# KiCad board Galatea Keyboard PCB.kicad_pcb
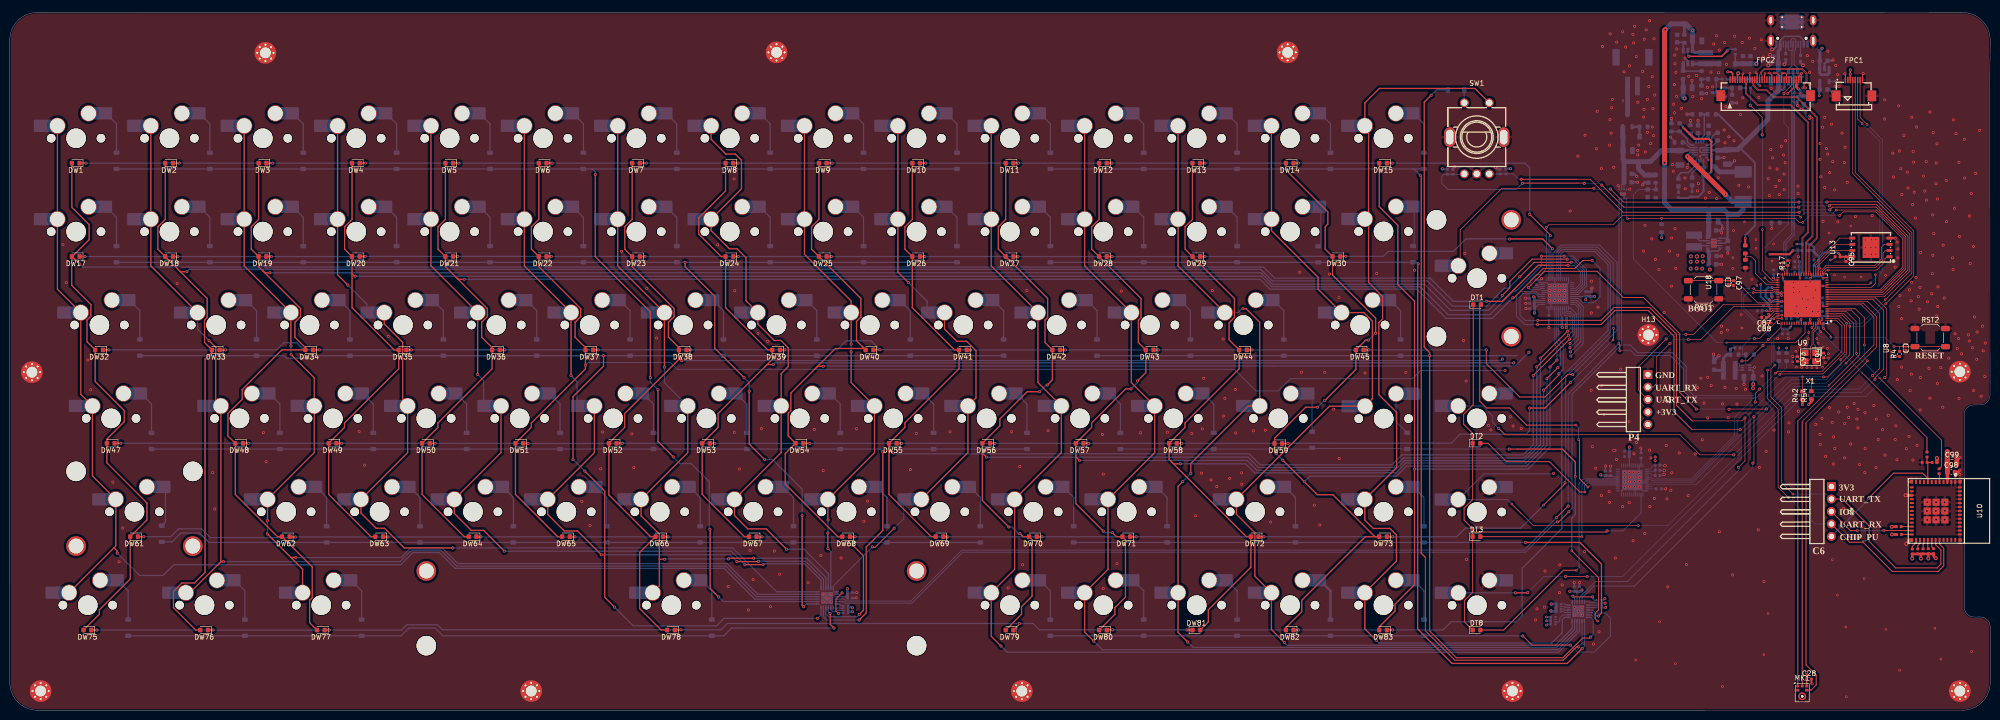
[diagram p0: board, top side]
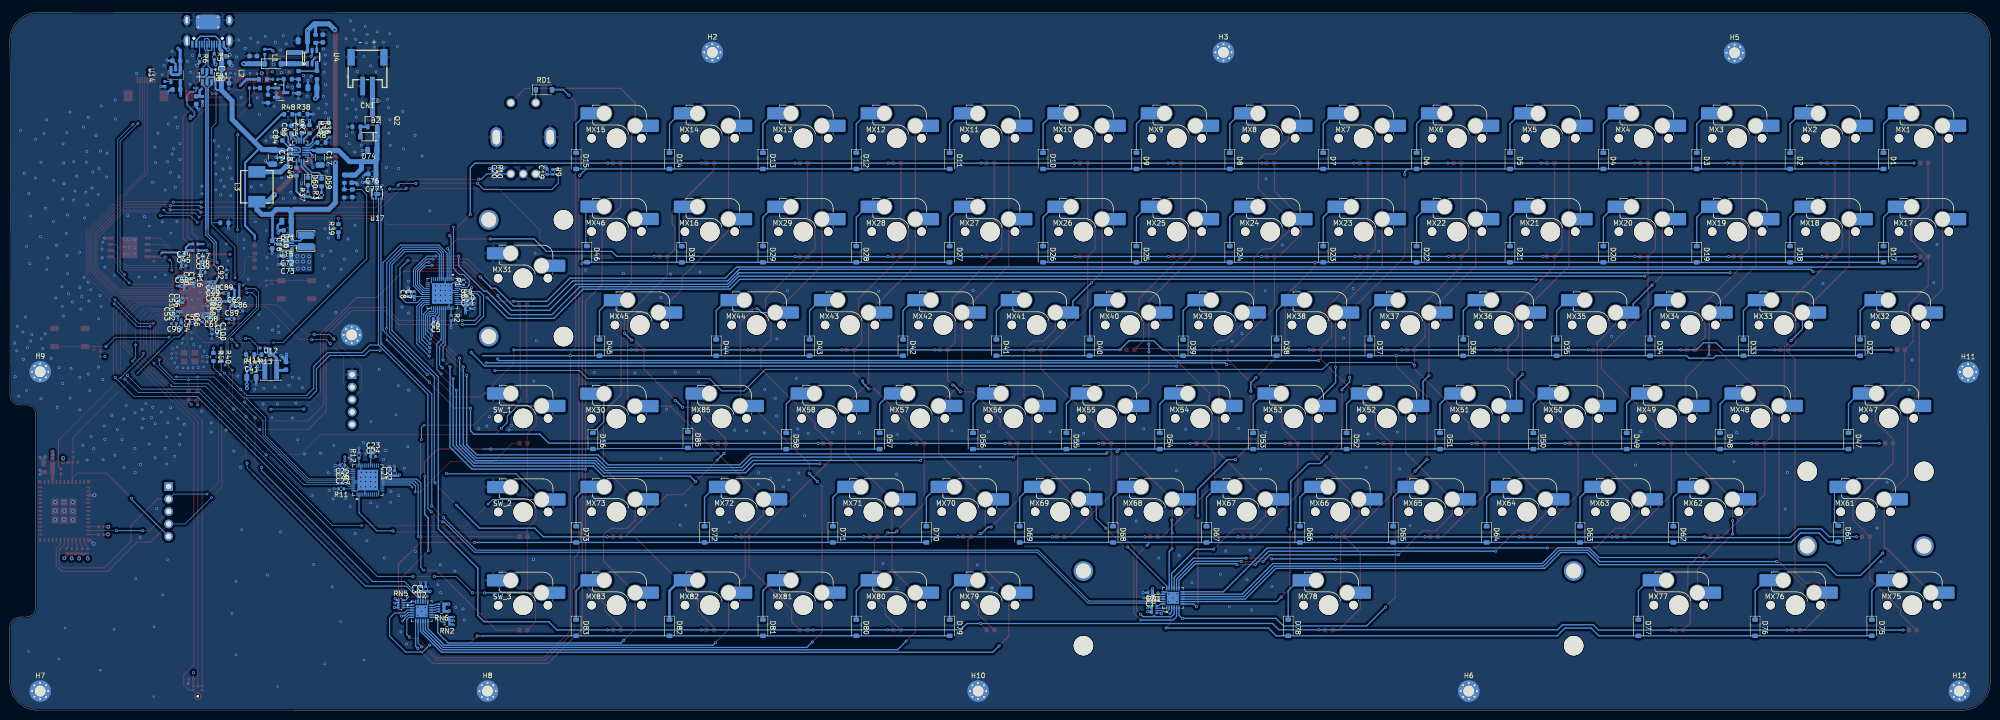
[diagram p1: board, bottom side, seen from below]

Outline 403.99 x 142.35 mm; copper layers: Top, In1.Cu, In2.Cu, Bottom. Coordinates in mm from the lower left corner of the outline.
Outline path: 0,136.73 arc(1.64,140.7) 5.61,142.34 313.04,142.34 365.73,142.35 398.37,142.33 arc(402.34,140.68) 403.98,136.71 403.91,128.29 403.96,64.26 arc(403.41,62.89) 402.06,62.28 400.58,62.28 arc(399.24,61.67) 398.69,60.3 398.73,20.9 arc(399.34,19.55) 400.71,19.01 402.01,19.01 arc(403.38,18.46) 403.99,17.12 403.99,9.32 403.99,5.62 arc(402.34,1.65) 398.37,0 5.62,0 arc(1.65,1.64) 0.01,5.61 0,136.73
Stack: Top 0.035mm / dielectric 0.1mm FR4 er 4.5 / In1.Cu 0.035mm / dielectric 1.24mm FR4 er 4.5 / In2.Cu 0.035mm / dielectric 0.1mm FR4 er 4.5 / Bottom 0.035mm

## Placement (name value [footprint] x y rotation side)
B1  PESD5V5C1BLYL  [DFN1006-2L-BI-1]  360.34 133.42 0 bottom
B2  PESD5V5C1BLYL  [DFN1006-2L-BI-1]  329.37 124.33 0 bottom
C1  1uF  [C_0402_1005Metric]  171.37 22.87 0 bottom
C2  100nF  [C_0402_1005Metric]  171.36 23.98 0 bottom
C3  1uF  [C_0402_1005Metric]  320.19 24.71 90 bottom
C4  100nF  [C_0402_1005Metric]  319.15 24.71 90 bottom
C5  470nF  [C_0402_1005Metric]  317.1 78.8 0 bottom
C6  100nF  [C_0402_1005Metric]  317.12 79.87 0 bottom
C7  470nF  [C_0402_1005Metric]  321.5 84.9 90 bottom
C8  100nF  [C_0402_1005Metric]  322.6 84.9 90 bottom
C9  470nF  [C_0402_1005Metric]  310.55 84.03 180 bottom
C10  100nF  [C_0402_1005Metric]  310.54 82.99 180 bottom
C11  470nF  [C_0402_1005Metric]  310.56 81.93 180 bottom
C12  1uF  [C_0603]  340.13 137.02 90 bottom
C13  10uF  [C_0805]  344.22 136.57 0 bottom
C14  22pF  [C_0402]  352.42 73.89 0 bottom
C15  22uF  [C_0603]  347.67 70.25 90 bottom
C16  100nF  [C_0603_1608Metric]  350.47 94.99 270 bottom
C17  22uF  [C_1206_3216Metric]  340.69 112.7 270 bottom
C18  1uF  [C_0603_1608Metric]  348.34 113.46 270 bottom
C19  100nF  [C_0402_1005Metric]  294.38 109.8 90 bottom
C20  100nF  [C_0402_1005Metric]  304.01 109.88 90 bottom
C21  470nF  [C_0402_1005Metric]  326.51 48.32 90 bottom
C22  100nF  [C_0402_1005Metric]  325.47 48.33 90 bottom
C23  470nF  [C_0402_1005Metric]  329.88 52.84 180 bottom
C24  100nF  [C_0402_1005Metric]  329.88 51.74 180 bottom
C25  470nF  [C_0402_1005Metric]  336.14 50 0 bottom
C26  100nF  [C_0402_1005Metric]  336.14 48.92 0 bottom
C27  470nF  [C_0402_1005Metric]  336.13 47.88 0 bottom
C28  100nF  [C_0402_1005Metric]  367.02 6.35 0 top
C29  22uF  [C_0805]  347.54 99.74 0 bottom
C34  1uF  [C_0402_1005Metric]  368.53 91.81 180 bottom
C35  10uF  [C_0402_1005Metric]  362.58 85.21 0 bottom
C36  10uF  [C_0402_1005Metric]  368.75 83.6 90 bottom
C39  10nF  [C_0402_1005Metric]  364.62 89.34 180 bottom
C40  100nF  [C_0402_1005Metric]  369.16 88.05 270 bottom
C41  4.7uF  [C_0805_2012Metric]  354.7 67.89 180 bottom
C44  10uF  [C_0402_1005Metric]  368.1 88.05 270 bottom
C45  100nF  [C_0402_1005Metric]  368.53 90.67 180 bottom
C46  100nF  [C_0402_1005Metric]  364.62 90.41 180 bottom
C47  1uF  [C_0402_1005Metric]  364.6 91.51 180 bottom
C48  10nF  [C_0402_1005Metric]  362.57 87.35 0 bottom
C49  100nF  [C_0402_1005Metric]  362.55 86.27 0 bottom
C50  100nF  [C_0402_1005Metric]  368.89 86.55 180 bottom
C51  100nF  [C_0402_1005Metric]  369.8 83.62 90 bottom
C52  100nF  [C_0402_1005Metric]  369.72 80.87 90 bottom
C53  10uF  [C_0402_1005Metric]  370.78 80.86 90 bottom
C54  100nF  [C_0402_1005Metric]  369 78.53 270 bottom
C55  100nF  [C_0402_1005Metric]  366.78 78.98 180 bottom
C56  100nF  [C_0402_1005Metric]  364.69 79.69 90 bottom
C57  100nF  [C_0402_1005Metric]  362.74 77.24 270 bottom
C58  10uF  [C_0402_1005Metric]  362.94 80.97 0 bottom
C59  100nF  [C_0402_1005Metric]  358.71 79.83 180 bottom
C60  100nF  [C_0402_1005Metric]  361.46 81.9 90 bottom
C61  100nF  [C_0402_1005Metric]  362.9 79.85 0 bottom
C62  100nF  [C_0402_1005Metric]  358.24 82.53 180 bottom
C63  100nF  [C_0603]  353.57 132.65 90 bottom
C64  1uF  [C_0603]  355.09 132.65 90 bottom
C65  1uF  [C_0603]  345.07 126.63 270 bottom
C66  22nF  [C_0402]  372.35 127.76 270 bottom
C67  1uF  [C_0603]  370 126.62 0 bottom
C68  1uF  [C_0603]  370.02 132.49 0 bottom
C69  10uF  [C_0603]  365.96 124.44 270 bottom
C70  100nF  [C_0402]  364.67 124.7 270 bottom
C71  10uF  [C_0603_1608Metric]  347.35 97.89 0 bottom
C72  10uF  [C_0603_1608Metric]  347.4 92.66 0 bottom
C73  10uF  [C_0603_1608Metric]  347.32 90.98 0 bottom
C74  10uF  [C_1206_3216Metric]  350.37 112.87 270 bottom
C75  200nF  [C_0603_1608Metric]  344.4 118.52 90 bottom
C76  100nF  [C_0603_1608Metric]  330.07 109.41 0 bottom
C77  100nF  [C_0603_1608Metric]  330.07 107.71 0 bottom
C78  1uF  [C_0402]  390.63 50.55 180 top
C79  100nF  [C_0603]  359.96 132.15 180 bottom
C80  100nF  [C_0603]  360.06 127.91 180 bottom
C81  10uF  [C_0805]  330.05 114.19 0 bottom
C82  100nF  [C_0603]  334.11 105.45 270 bottom
C83  100nF  [C_0603]  334.27 108.39 270 bottom
C84  100nF  [C_0603_1608Metric]  348.39 117.01 90 bottom
C85  1uF  [C_0603_1608Metric]  346.56 118.47 90 bottom
C86  100nF  [C_0402_1005Metric]  356.99 81.48 180 bottom
C87  100nF  [C_0402_1005Metric]  357.85 80.12 180 top
C88  100nF  [C_0402_1005Metric]  357.87 78.98 180 top
C89  100nF  [C_0402_1005Metric]  359.86 85.08 180 bottom
C90  100nF  [C_0402_1005Metric]  362.57 82.96 270 bottom
C91  1uF  [C_0402_1005Metric]  363.66 82.95 270 bottom
C92  100nF  [C_0402_1005Metric]  359.83 89.32 90 bottom
C93  18pF  [C_0402_1005Metric]  364.64 71.65 270 top
C94  18pF  [C_0402_1005Metric]  370.02 72.38 90 top
C95  100nF  [C_0402_1005Metric]  374.57 92.02 270 top
C96  100nF  [C_0402_1005Metric]  370.51 78.9 0 bottom
C97  100nF  [C_0402_1005Metric]  351.62 87.15 270 top
C98  100nF  [C_0603_1608Metric]  396.03 48.54 0 top
C99  10uF  [C_0805_2012Metric]  396.18 50.42 0 top
C100  10uF  [C_0402_1005Metric]  361.65 77.26 270 bottom
CN1  S2B-PH-SM4-TB  [CONN-SMD_P2.00_S2B-PH-SM4-TB-LF-SN]  331.02 130.26 0 bottom
D1  D  [D_SOD-123]  21.76 112.07 270 bottom
D2  D  [D_SOD-123]  40.81 112.07 270 bottom
D3  D  [D_SOD-123]  59.86 112.07 270 bottom
D4  D  [D_SOD-123]  78.91 112.07 270 bottom
D5  D  [D_SOD-123]  97.96 112.07 270 bottom
D6  D  [D_SOD-123]  117.01 112.07 270 bottom
D7  D  [D_SOD-123]  136.06 112.07 270 bottom
D8  D  [D_SOD-123]  155.11 112.07 270 bottom
D9  D  [D_SOD-123]  174.16 112.07 270 bottom
D10  D  [D_SOD-123]  193.21 112.07 270 bottom
D11  D  [D_SOD-123]  212.26 112.07 270 bottom
D12  D  [D_SOD-123]  231.31 112.07 270 bottom
D13  D  [D_SOD-123]  250.36 112.07 270 bottom
D14  D  [D_SOD-123]  269.41 112.07 270 bottom
D15  D  [D_SOD-123]  288.46 112.07 270 bottom
D16  D  [D_SOD-123]  285.05 54.94 270 bottom
D17  D  [D_SOD-123]  21.76 93.02 270 bottom
D18  D  [D_SOD-123]  40.81 93.02 270 bottom
D19  D  [D_SOD-123]  59.86 93.02 270 bottom
D20  D  [D_SOD-123]  78.91 93.02 270 bottom
D21  D  [D_SOD-123]  97.96 93.02 270 bottom
D22  D  [D_SOD-123]  117.01 93.02 270 bottom
D23  D  [D_SOD-123]  136.06 93.02 270 bottom
D24  D  [D_SOD-123]  155.11 93.02 270 bottom
D25  D  [D_SOD-123]  174.16 93.02 270 bottom
D26  D  [D_SOD-123]  193.21 93.02 270 bottom
D27  D  [D_SOD-123]  212.26 93.02 270 bottom
D28  D  [D_SOD-123]  231.31 93.02 270 bottom
D29  D  [D_SOD-123]  250.36 93.02 270 bottom
D30  D  [D_SOD-123]  266.91 93 270 bottom
D31  B5819W  [D_SOD-123]  350.32 131.87 180 bottom
D32  D  [D_SOD-123]  26.53 73.97 270 bottom
D33  D  [D_SOD-123]  50.34 73.97 270 bottom
D34  D  [D_SOD-123]  69.39 73.97 270 bottom
D35  D  [D_SOD-123]  88.44 73.97 270 bottom
D36  D  [D_SOD-123]  107.49 73.97 270 bottom
D37  D  [D_SOD-123]  126.54 73.97 270 bottom
D38  D  [D_SOD-123]  145.59 73.97 270 bottom
D39  D  [D_SOD-123]  164.64 73.97 270 bottom
D40  D  [D_SOD-123]  183.69 73.97 270 bottom
D41  D  [D_SOD-123]  202.74 73.97 270 bottom
D42  D  [D_SOD-123]  221.79 73.97 270 bottom
D43  D  [D_SOD-123]  240.84 73.97 270 bottom
D44  D  [D_SOD-123]  259.89 73.97 270 bottom
D45  D  [D_SOD-123]  283.7 73.97 270 bottom
D46  D  [D_SOD-123]  286.27 93.04 270 bottom
D47  D  [D_SOD-123]  28.91 54.92 270 bottom
D48  D  [D_SOD-123]  55.1 54.92 270 bottom
D49  D  [D_SOD-123]  74.15 54.92 270 bottom
D50  D  [D_SOD-123]  93.2 54.92 270 bottom
D51  D  [D_SOD-123]  112.25 54.92 270 bottom
D52  D  [D_SOD-123]  131.3 54.92 270 bottom
D53  D  [D_SOD-123]  150.35 54.92 270 bottom
D54  D  [D_SOD-123]  169.4 54.92 270 bottom
D55  D  [D_SOD-123]  188.45 54.92 270 bottom
D56  D  [D_SOD-123]  207.5 54.92 270 bottom
D57  D  [D_SOD-123]  226.55 54.92 270 bottom
D58  D  [D_SOD-123]  245.6 54.92 270 bottom
D59  LED  [LED_0603_1608Metric]  340.39 107.67 270 bottom
D60  LED  [LED_0603_1608Metric]  343.18 107.87 270 bottom
D61  D  [D_SOD-123]  31 35.99 270 bottom
D62  D  [D_SOD-123]  64.63 35.87 270 bottom
D63  D  [D_SOD-123]  83.68 35.87 270 bottom
D64  D  [D_SOD-123]  102.73 35.87 270 bottom
D65  D  [D_SOD-123]  121.78 35.87 270 bottom
D66  D  [D_SOD-123]  140.83 35.87 270 bottom
D67  D  [D_SOD-123]  159.88 35.87 270 bottom
D68  D  [D_SOD-123]  178.93 35.87 270 bottom
D69  D  [D_SOD-123]  197.98 35.87 270 bottom
D70  D  [D_SOD-123]  217.03 35.87 270 bottom
D71  D  [D_SOD-123]  236.08 35.87 270 bottom
D72  D  [D_SOD-123]  262.27 35.87 270 bottom
D73  D  [D_SOD-123]  288.46 35.87 270 bottom
D74  MMSZ5231B-7-F  [SOD-123_L2.8-W1.8-LS3.7-RD]  330.76 117.01 0 bottom
D75  D  [D_SOD-123]  24.14 16.82 270 bottom
D76  D  [D_SOD-123]  47.96 16.82 270 bottom
D77  D  [D_SOD-123]  71.77 16.82 270 bottom
D78  D  [D_SOD-123]  143.21 16.82 270 bottom
D79  D  [D_SOD-123]  212.26 16.82 270 bottom
D80  D  [D_SOD-123]  231.31 16.82 270 bottom
D81  D  [D_SOD-123]  250.36 16.82 270 bottom
D82  D  [D_SOD-123]  269.41 16.82 270 bottom
D83  D  [D_SOD-123]  288.46 16.82 270 bottom
D85  D  [D_SOD-123]  265.67 55.17 270 bottom
DT1  WHITE  [LED_0603_1608Metric]  299.32 82.74 0 top
DT2  WHITE  [LED_0603_1608Metric]  299.2 54.45 0 top
DT3  WHITE  [LED_0603_1608Metric]  299.2 35.4 0 top
DT8  WHITE  [LED_0603_1608Metric]  299.2 16.35 0 top
DW1  WHITE  [LED_0603_1608Metric]  13.45 111.6 180 top
DW2  WHITE  [LED_0603_1608Metric]  32.5 111.6 180 top
DW3  WHITE  [LED_0603_1608Metric]  51.55 111.6 180 top
DW4  WHITE  [LED_0603_1608Metric]  70.6 111.6 180 top
DW5  WHITE  [LED_0603_1608Metric]  89.65 111.6 180 top
DW6  WHITE  [LED_0603_1608Metric]  108.7 111.6 180 top
DW7  WHITE  [LED_0603_1608Metric]  127.75 111.6 180 top
DW8  WHITE  [LED_0603_1608Metric]  146.8 111.6 180 top
DW9  WHITE  [LED_0603_1608Metric]  165.85 111.6 180 top
DW10  WHITE  [LED_0603_1608Metric]  184.9 111.6 180 top
DW11  WHITE  [LED_0603_1608Metric]  203.95 111.6 180 top
DW12  WHITE  [LED_0603_1608Metric]  223 111.6 180 top
DW13  WHITE  [LED_0603_1608Metric]  242.05 111.6 180 top
DW14  WHITE  [LED_0603_1608Metric]  261.1 111.6 180 top
DW15  WHITE  [LED_0603_1608Metric]  280.15 111.6 180 top
DW17  WHITE  [LED_0603_1608Metric]  13.45 92.55 180 top
DW18  WHITE  [LED_0603_1608Metric]  32.5 92.55 180 top
DW19  WHITE  [LED_0603_1608Metric]  51.55 92.55 180 top
DW20  WHITE  [LED_0603_1608Metric]  70.6 92.55 180 top
DW21  WHITE  [LED_0603_1608Metric]  89.65 92.55 180 top
DW22  WHITE  [LED_0603_1608Metric]  108.7 92.55 180 top
DW23  WHITE  [LED_0603_1608Metric]  127.75 92.55 180 top
DW24  WHITE  [LED_0603_1608Metric]  146.8 92.55 180 top
DW25  WHITE  [LED_0603_1608Metric]  165.85 92.55 180 top
DW26  WHITE  [LED_0603_1608Metric]  184.9 92.55 180 top
DW27  WHITE  [LED_0603_1608Metric]  203.95 92.55 180 top
DW28  WHITE  [LED_0603_1608Metric]  223 92.55 180 top
DW29  WHITE  [LED_0603_1608Metric]  242.05 92.55 180 top
DW30  WHITE  [LED_0603_1608Metric]  270.62 92.55 180 top
DW32  WHITE  [LED_0603_1608Metric]  18.21 73.5 180 top
DW33  WHITE  [LED_0603_1608Metric]  42.02 73.5 180 top
DW34  WHITE  [LED_0603_1608Metric]  61.07 73.5 180 top
DW35  WHITE  [LED_0603_1608Metric]  80.12 73.5 180 top
DW36  WHITE  [LED_0603_1608Metric]  99.17 73.5 180 top
DW37  WHITE  [LED_0603_1608Metric]  118.22 73.5 180 top
DW38  WHITE  [LED_0603_1608Metric]  137.27 73.5 180 top
DW39  WHITE  [LED_0603_1608Metric]  156.32 73.5 180 top
DW40  WHITE  [LED_0603_1608Metric]  175.37 73.5 180 top
DW41  WHITE  [LED_0603_1608Metric]  194.42 73.5 180 top
DW42  WHITE  [LED_0603_1608Metric]  213.47 73.5 180 top
DW43  WHITE  [LED_0603_1608Metric]  232.52 73.5 180 top
DW44  WHITE  [LED_0603_1608Metric]  251.57 73.5 180 top
DW45  WHITE  [LED_0603_1608Metric]  275.38 73.5 180 top
DW47  WHITE  [LED_0603_1608Metric]  20.59 54.45 180 top
DW48  WHITE  [LED_0603_1608Metric]  46.78 54.45 180 top
DW49  WHITE  [LED_0603_1608Metric]  65.83 54.45 180 top
DW50  WHITE  [LED_0603_1608Metric]  84.88 54.45 180 top
DW51  WHITE  [LED_0603_1608Metric]  103.93 54.45 180 top
DW52  WHITE  [LED_0603_1608Metric]  122.98 54.45 180 top
DW53  WHITE  [LED_0603_1608Metric]  142.03 54.45 180 top
DW54  WHITE  [LED_0603_1608Metric]  161.08 54.45 180 top
DW55  WHITE  [LED_0603_1608Metric]  180.13 54.45 180 top
DW56  WHITE  [LED_0603_1608Metric]  199.18 54.45 180 top
DW57  WHITE  [LED_0603_1608Metric]  218.23 54.45 180 top
DW58  WHITE  [LED_0603_1608Metric]  237.28 54.45 180 top
DW59  WHITE  [LED_0603_1608Metric]  258.78 54.4 180 top
DW61  WHITE  [LED_0603_1608Metric]  25.35 35.4 180 top
DW62  WHITE  [LED_0603_1608Metric]  56.31 35.4 180 top
DW63  WHITE  [LED_0603_1608Metric]  75.36 35.4 180 top
DW64  WHITE  [LED_0603_1608Metric]  94.41 35.4 180 top
DW65  WHITE  [LED_0603_1608Metric]  113.46 35.4 180 top
DW66  WHITE  [LED_0603_1608Metric]  132.51 35.4 180 top
DW67  WHITE  [LED_0603_1608Metric]  151.56 35.4 180 top
DW68  WHITE  [LED_0603_1608Metric]  170.61 35.4 180 top
DW69  WHITE  [LED_0603_1608Metric]  189.66 35.4 180 top
DW70  WHITE  [LED_0603_1608Metric]  208.71 35.4 180 top
DW71  WHITE  [LED_0603_1608Metric]  227.76 35.4 180 top
DW72  WHITE  [LED_0603_1608Metric]  253.95 35.4 180 top
DW73  WHITE  [LED_0603_1608Metric]  280.15 35.4 180 top
DW75  WHITE  [LED_0603_1608Metric]  15.83 16.35 180 top
DW76  WHITE  [LED_0603_1608Metric]  39.64 16.35 180 top
DW77  WHITE  [LED_0603_1608Metric]  63.45 16.35 180 top
DW78  WHITE  [LED_0603_1608Metric]  134.89 16.35 180 top
DW79  WHITE  [LED_0603_1608Metric]  203.95 16.35 180 top
DW80  WHITE  [LED_0603_1608Metric]  223 16.35 180 top
DW81  WHITE  [LED_0603_1608Metric]  242.05 16.35 0 top
DW82  WHITE  [LED_0603_1608Metric]  261.1 16.35 180 top
DW83  WHITE  [LED_0603_1608Metric]  280.15 16.35 180 top
FPC1  FH12-8S-0.5SH  [FPC-SMD_8P-P0.50_FH12S-8S-0.5SH-55]  376.2 126.94 0 top
FPC2  FH12-30S-0.5SH  [FPC-SMD_FH12-30S-0.5SH-55]  358.19 127 0 top
H2  MountingHole_Pad  [MountingHole_2.2mm_M2_Pad_Via]  260.67 134.2 180 bottom  (not fitted)
H3  MountingHole_Pad  [MountingHole_2.2mm_M2_Pad_Via]  156.41 134.2 180 bottom  (not fitted)
H5  MountingHole_Pad  [MountingHole_2.2mm_M2_Pad_Via]  52.14 134.1 180 bottom  (not fitted)
H6  MountingHole_Pad  [MountingHole_2.2mm_M2_Pad_Via]  106.37 3.9 180 bottom  (not fitted)
H7  MountingHole_Pad  [MountingHole_2.2mm_M2_Pad_Via]  397.8 3.9 180 bottom  (not fitted)
H8  MountingHole_Pad  [MountingHole_2.2mm_M2_Pad_Via]  306.53 3.9 180 bottom  (not fitted)
H9  MountingHole_Pad  [MountingHole_2.2mm_M2_Pad_Via]  397.8 69.05 180 bottom  (not fitted)
H10  MountingHole_Pad  [MountingHole_2.2mm_M2_Pad_Via]  206.45 3.9 180 bottom  (not fitted)
H11  MountingHole_Pad  [MountingHole_2.2mm_M2_Pad_Via]  4.51 68.95 180 bottom  (not fitted)
H12  MountingHole_Pad  [MountingHole_2.2mm_M2_Pad_Via]  6.28 3.9 180 bottom  (not fitted)
H13  MountingHole_Pad  [MountingHole_2.2mm_M2_Pad_Via]  334.26 76.56 0 top  (not fitted)
J1  Connector, USB-TYPE-C-16P  [TYPE-C-SMD_HX-TYPE-C-16PIN]  363.54 138.38 0 bottom
J3  X6511WR-05H-C30D60-R2  [HDR-TH_5P-P2.54-H-M-W10.4]  334.16 63.37 270 top
J4  X6511WR-05H-C30D60-R2  [HDR-TH_5P-P2.54-H-M-W10.4]  371.59 40.53 270 top
L1  SWPA3015S100MT  [IND-SMD_L3.0-W3.0_SWPA3010S]  345.92 133.02 90 bottom
L2  BLM18SG121TN1D  [L0603]  360.77 129.93 270 bottom
L3  SMMS0630-2R2M  [IND-SMD_L6.6-W6.6]  353.59 106.78 90 bottom
MK1  ICS-43434  [InvenSense_ICS-43434-6_3.5x2.65mm]  365.64 3.55 0 top
MX1  MX_SW_HS  [SW_MX_HS_CPG151101S11_1u]  13.52 116.68 180 bottom
MX2  MX_SW_HS  [SW_MX_HS_CPG151101S11_1u]  32.57 116.68 180 bottom
MX3  MX_SW_HS  [SW_MX_HS_CPG151101S11_1u]  51.62 116.68 180 bottom
MX4  MX_SW_HS  [SW_MX_HS_CPG151101S11_1u]  70.67 116.68 180 bottom
MX5  MX_SW_HS  [SW_MX_HS_CPG151101S11_1u]  89.72 116.68 180 bottom
MX6  MX_SW_HS  [SW_MX_HS_CPG151101S11_1u]  108.77 116.68 180 bottom
MX7  MX_SW_HS  [SW_MX_HS_CPG151101S11_1u]  127.82 116.68 180 bottom
MX8  MX_SW_HS  [SW_MX_HS_CPG151101S11_1u]  146.87 116.68 180 bottom
MX9  MX_SW_HS  [SW_MX_HS_CPG151101S11_1u]  165.92 116.68 180 bottom
MX10  MX_SW_HS  [SW_MX_HS_CPG151101S11_1u]  184.97 116.68 180 bottom
MX11  MX_SW_HS  [SW_MX_HS_CPG151101S11_1u]  204.02 116.68 180 bottom
MX12  MX_SW_HS  [SW_MX_HS_CPG151101S11_1u]  223.07 116.68 180 bottom
MX13  MX_SW_HS  [SW_MX_HS_CPG151101S11_1u]  242.12 116.68 180 bottom
MX14  MX_SW_HS  [SW_MX_HS_CPG151101S11_1u]  261.17 116.68 180 bottom
MX15  MX_SW_HS  [SW_MX_HS_CPG151101S11_1u]  280.22 116.68 180 bottom
MX16  MX_SW_HS  [SW_MX_HS_CPG151101S11_1u]  261.18 97.63 180 bottom
MX17  MX_SW_HS  [SW_MX_HS_CPG151101S11_1u]  13.52 97.63 180 bottom
MX18  MX_SW_HS  [SW_MX_HS_CPG151101S11_1u]  32.57 97.63 180 bottom
MX19  MX_SW_HS  [SW_MX_HS_CPG151101S11_1u]  51.62 97.63 180 bottom
MX20  MX_SW_HS  [SW_MX_HS_CPG151101S11_1u]  70.67 97.63 180 bottom
MX21  MX_SW_HS  [SW_MX_HS_CPG151101S11_1u]  89.72 97.63 180 bottom
MX22  MX_SW_HS  [SW_MX_HS_CPG151101S11_1u]  108.77 97.63 180 bottom
MX23  MX_SW_HS  [SW_MX_HS_CPG151101S11_1u]  127.82 97.63 180 bottom
MX24  MX_SW_HS  [SW_MX_HS_CPG151101S11_1u]  146.87 97.63 180 bottom
MX25  MX_SW_HS  [SW_MX_HS_CPG151101S11_1u]  165.92 97.63 180 bottom
MX26  MX_SW_HS  [SW_MX_HS_CPG151101S11_1u]  184.97 97.63 180 bottom
MX27  MX_SW_HS  [SW_MX_HS_CPG151101S11_1u]  204.02 97.63 180 bottom
MX28  MX_SW_HS  [SW_MX_HS_CPG151101S11_1u]  223.07 97.63 180 bottom
MX29  MX_SW_HS  [SW_MX_HS_CPG151101S11_1u]  242.12 97.63 180 bottom
MX30  MX_SW_HS  [SW_MX_HS_CPG151101S11_1u]  280.26 59.48 180 bottom
MX31  MX_SW_HS  [SW_MX_HS_CPG151101S11_1u]  299.3 88.13 180 bottom
MX32  MX_SW_HS  [SW_MX_HS_CPG151101S11_1.5u]  18.29 78.58 180 bottom
MX33  MX_SW_HS  [SW_MX_HS_CPG151101S11_1u]  42.1 78.58 180 bottom
MX34  MX_SW_HS  [SW_MX_HS_CPG151101S11_1u]  61.15 78.58 180 bottom
MX35  MX_SW_HS  [SW_MX_HS_CPG151101S11_1u]  80.2 78.58 180 bottom
MX36  MX_SW_HS  [SW_MX_HS_CPG151101S11_1u]  99.25 78.58 180 bottom
MX37  MX_SW_HS  [SW_MX_HS_CPG151101S11_1u]  118.3 78.58 180 bottom
MX38  MX_SW_HS  [SW_MX_HS_CPG151101S11_1u]  137.35 78.58 180 bottom
MX39  MX_SW_HS  [SW_MX_HS_CPG151101S11_1u]  156.4 78.58 180 bottom
MX40  MX_SW_HS  [SW_MX_HS_CPG151101S11_1u]  175.45 78.58 180 bottom
MX41  MX_SW_HS  [SW_MX_HS_CPG151101S11_1u]  194.5 78.58 180 bottom
MX42  MX_SW_HS  [SW_MX_HS_CPG151101S11_1u]  213.55 78.58 180 bottom
MX43  MX_SW_HS  [SW_MX_HS_CPG151101S11_1u]  232.6 78.58 180 bottom
MX44  MX_SW_HS  [SW_MX_HS_CPG151101S11_1u]  251.65 78.58 180 bottom
MX45  MX_SW_HS  [SW_MX_HS_CPG151101S11_1.5u]  275.46 78.58 180 bottom
MX46  MX_SW_HS  [SW_MX_HS_CPG151101S11_1u]  280.23 97.66 180 bottom
MX47  MX_SW_HS  [SW_MX_HS_CPG151101S11_1.75u]  20.67 59.53 180 bottom
MX48  MX_SW_HS  [SW_MX_HS_CPG151101S11_1u]  46.86 59.53 180 bottom
MX49  MX_SW_HS  [SW_MX_HS_CPG151101S11_1u]  65.91 59.53 180 bottom
MX50  MX_SW_HS  [SW_MX_HS_CPG151101S11_1u]  84.96 59.53 180 bottom
MX51  MX_SW_HS  [SW_MX_HS_CPG151101S11_1u]  104.01 59.53 180 bottom
MX52  MX_SW_HS  [SW_MX_HS_CPG151101S11_1u]  123.06 59.53 180 bottom
MX53  MX_SW_HS  [SW_MX_HS_CPG151101S11_1u]  142.11 59.53 180 bottom
MX54  MX_SW_HS  [SW_MX_HS_CPG151101S11_1u]  161.16 59.53 180 bottom
MX55  MX_SW_HS  [SW_MX_HS_CPG151101S11_1u]  180.21 59.53 180 bottom
MX56  MX_SW_HS  [SW_MX_HS_CPG151101S11_1u]  199.26 59.53 180 bottom
MX57  MX_SW_HS  [SW_MX_HS_CPG151101S11_1u]  218.31 59.53 180 bottom
MX58  MX_SW_HS  [SW_MX_HS_CPG151101S11_1u]  237.36 59.53 180 bottom
MX61  MX_SW_HS  [SW_MX_HS_CPG151101S11_1u]  25.43 40.48 180 bottom
MX62  MX_SW_HS  [SW_MX_HS_CPG151101S11_1u]  56.39 40.48 180 bottom
MX63  MX_SW_HS  [SW_MX_HS_CPG151101S11_1u]  75.44 40.48 180 bottom
MX64  MX_SW_HS  [SW_MX_HS_CPG151101S11_1u]  94.49 40.48 180 bottom
MX65  MX_SW_HS  [SW_MX_HS_CPG151101S11_1u]  113.54 40.48 180 bottom
MX66  MX_SW_HS  [SW_MX_HS_CPG151101S11_1u]  132.59 40.48 180 bottom
MX67  MX_SW_HS  [SW_MX_HS_CPG151101S11_1u]  151.64 40.48 180 bottom
MX68  MX_SW_HS  [SW_MX_HS_CPG151101S11_1u]  170.69 40.48 180 bottom
MX69  MX_SW_HS  [SW_MX_HS_CPG151101S11_1u]  189.74 40.48 180 bottom
MX70  MX_SW_HS  [SW_MX_HS_CPG151101S11_1u]  208.79 40.48 180 bottom
MX71  MX_SW_HS  [SW_MX_HS_CPG151101S11_1u]  227.84 40.48 180 bottom
MX72  MX_SW_HS  [SW_MX_HS_CPG151101S11_1.75u]  254.03 40.48 180 bottom
MX73  MX_SW_HS  [SW_MX_HS_CPG151101S11_1u]  280.22 40.48 180 bottom
MX75  MX_SW_HS  [SW_MX_HS_CPG151101S11_1.25u]  15.9 21.43 180 bottom
MX76  MX_SW_HS  [SW_MX_HS_CPG151101S11_1.25u]  39.72 21.43 180 bottom
MX77  MX_SW_HS  [SW_MX_HS_CPG151101S11_1.25u]  63.53 21.43 180 bottom
MX78  MX_SW_HS  [SW_MX_HS_CPG151101S11_1u]  134.97 21.43 180 bottom
MX79  MX_SW_HS  [SW_MX_HS_CPG151101S11_1u]  204.02 21.43 180 bottom
MX80  MX_SW_HS  [SW_MX_HS_CPG151101S11_1u]  223.07 21.43 180 bottom
MX81  MX_SW_HS  [SW_MX_HS_CPG151101S11_1u]  242.12 21.43 180 bottom
MX82  MX_SW_HS  [SW_MX_HS_CPG151101S11_1u]  261.17 21.43 180 bottom
MX83  MX_SW_HS  [SW_MX_HS_CPG151101S11_1u]  280.22 21.43 180 bottom
MX85  MX_SW_HS  [SW_MX_HS_CPG151101S11_1.25u]  258.78 59.52 180 bottom
Q1  MMBT3904  [Q_SOT-23]  348.64 125.98 180 bottom
Q2  SSM3J328R,LF  [SOT-23-3_L2.9-W1.6-P1.90-LS2.8-BR]  329.98 120.26 270 bottom
R1  100K  [R_0402_1005Metric]  311.41 87.29 90 bottom
R2  47K  [R_0402_1005Metric]  313.98 80.04 270 bottom
R3  2k  [R_0402_1005Metric]  340.39 105.1 90 bottom
R4  10k  [R_0402_1005Metric]  385.49 72.66 90 top
R5  5.1k  [R_0402_1005Metric_Pad0.72x0.64mm_HandSolder]  362.29 133.31 270 bottom
R6  5.1k  [R_0402_1005Metric_Pad0.72x0.64mm_HandSolder]  365.3 132.96 270 bottom
R7  20k  [R_0603_1608Metric]  342.85 118.52 90 bottom
R8  1.05k  [R_0603_1608Metric]  340.41 115.82 180 bottom
R9  10k  [R_0402_1005Metric]  293.25 109.83 270 bottom